# KiCad board XG_Mobile_Dock.kicad_pcb
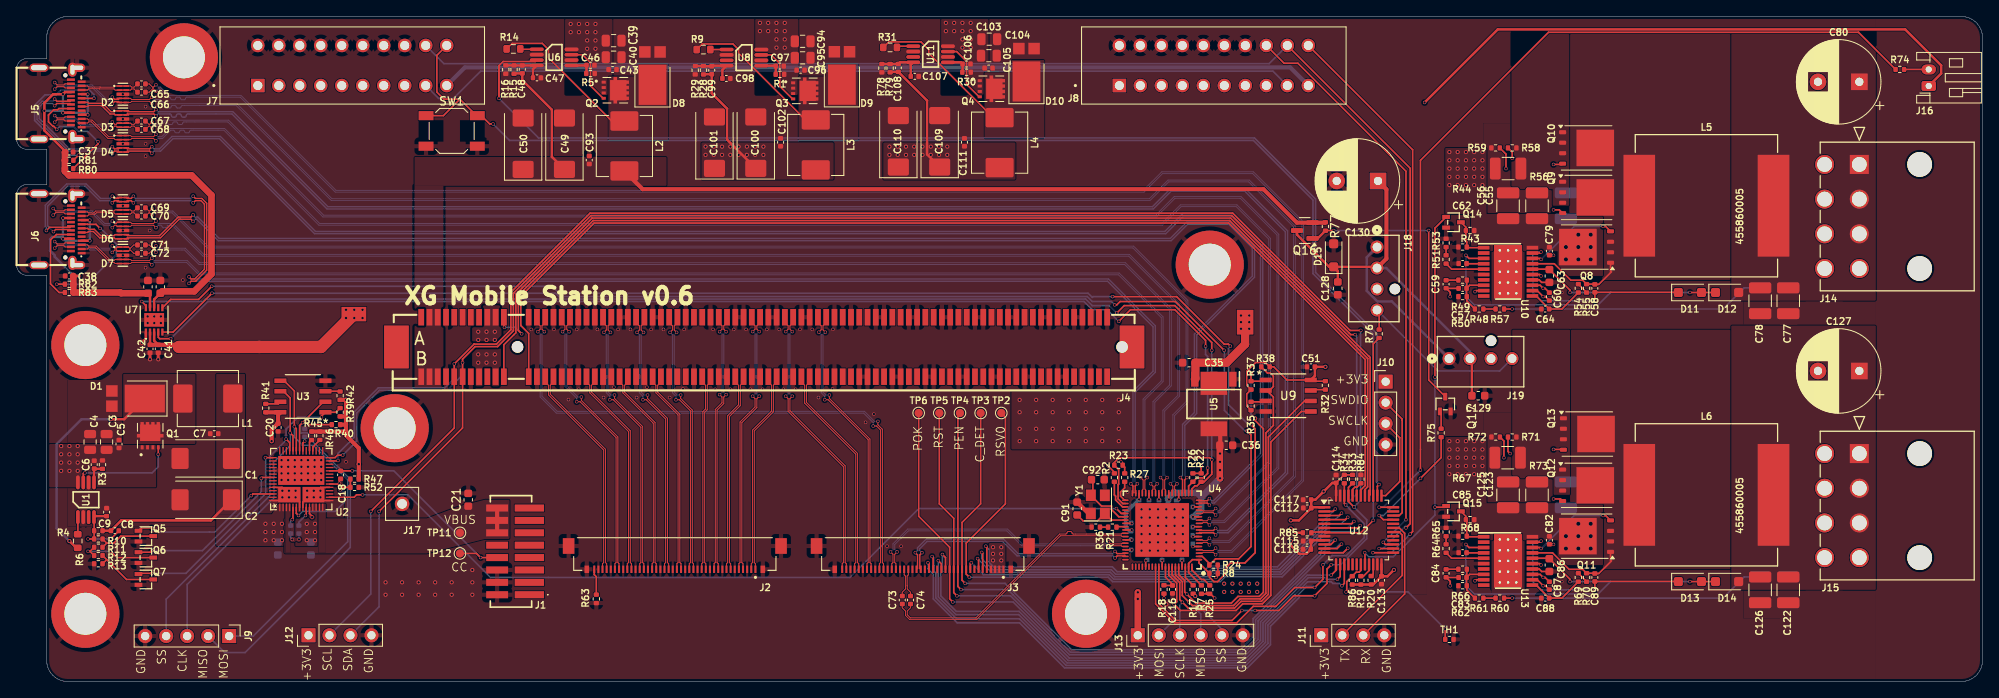
[diagram p0: board, top side]
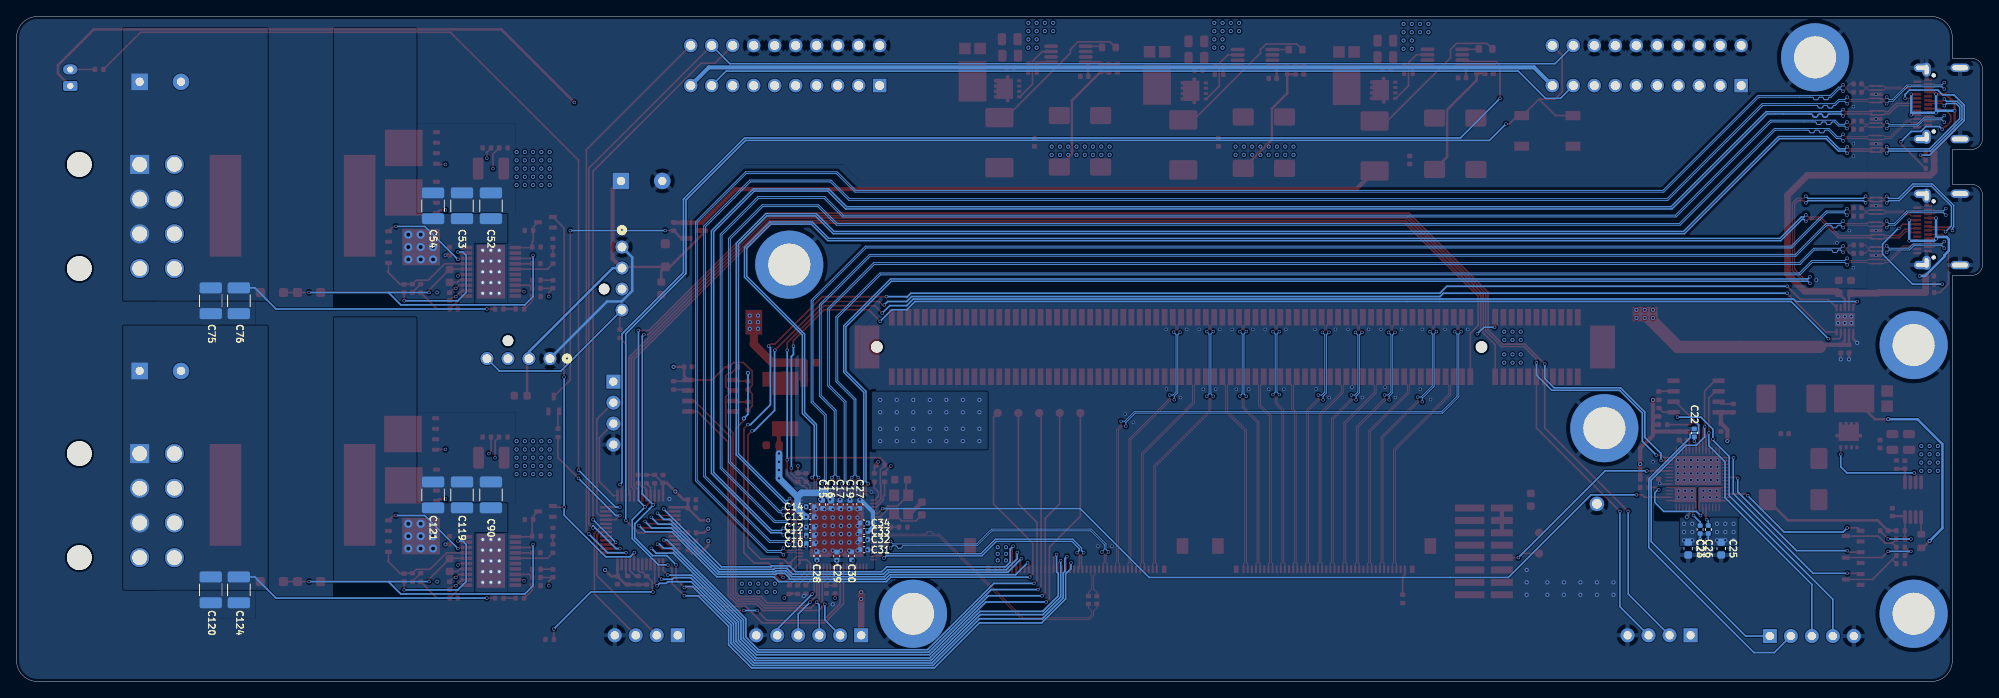
[diagram p1: board, bottom side, seen from below]

Outline 237.87 x 80.5 mm; copper layers: Top, In1.Cu (plane), In2.Cu (plane), In3.Cu, In4.Cu, Bottom. Coordinates in mm from the lower left corner of the outline.
Outline path: 0,74.15 arc(0.37,75.05) 1.27,75.42 3.65,75.42 3.65,77.96 arc(4.39,79.76) 6.19,80.5 235.33,80.5 arc(237.12,79.76) 237.87,77.96 237.87,2.54 arc(237.12,0.74) 235.33,0 6.19,0 arc(4.39,0.74) 3.65,2.54 3.65,49.17 1.27,49.17 arc(0.37,49.54) 0,50.44 0,58.9 arc(0.37,59.8) 1.27,60.17 3.65,60.17 3.65,64.42 1.27,64.42 arc(0.37,64.79) 0,65.69 0,74.15
Stack: Top 0.035mm / dielectric 0.0994mm FR4 er 4.1 / In1.Cu 0.0152mm / dielectric 0.55mm FR4 er 4.5 / In2.Cu 0.0152mm / dielectric 0.1088mm FR4 er 4.16 / In3.Cu 0.0152mm / dielectric 0.55mm FR4 er 4.5 / In4.Cu 0.0152mm / dielectric 0.0994mm FR4 er 4.1 / Bottom 0.035mm

## Placement (name value [footprint] x y rotation side)
C1  47µF  [CP_EIA-7343-43_Kemet-X]  22.9 27 180 top
C2  47µF  [CP_EIA-7343-43_Kemet-X]  22.9 22 180 top
C3  22µF  [C_0805_2012Metric]  10.9 29 90 top
C4  22µF  [C_0805_2012Metric]  8.9 29 90 top
C5  0.1µF  [C_0402_1005Metric]  12.4 28.75 90 top
C6  1000pF  [C_0402_1005Metric]  9.4 26.25 270 top
C7  0.1µF  [C_0402_1005Metric]  23.92 30 180 top
C8  100pF  [C_0402_1005Metric]  11.9 18.25 0 top
C9  1000pF  [C_0402_1005Metric]  10.9 20.5 90 top
C10  0.1µF  [C_0402_1005Metric]  141.83 16.68 180 bottom
C11  0.1µF  [C_0402_1005Metric]  141.83 17.68 180 bottom
C12  0.1µF  [C_0402_1005Metric]  141.83 18.68 180 bottom
C13  0.1µF  [C_0402_1005Metric]  141.83 19.94 180 bottom
C14  0.1µF  [C_0402_1005Metric]  141.85 21.14 180 bottom
C15  0.01µF  [C_0402_1005Metric]  140.33 21.43 270 bottom
C16  0.1µF  [C_0402_1005Metric]  139.33 21.43 270 bottom
C17  0.1µF  [C_0402_1005Metric]  138.22 21.43 270 bottom
C18  220pF  [C_0402_1005Metric]  39.21 25.02 270 top
C19  0.01µF  [C_0402_1005Metric]  137.02 21.43 270 bottom
C20  0.1µF  [C_0402_1005Metric]  31.65 30.75 270 top
C21  1µF  [C_0603_1608Metric]  54.65 22 90 top
C22  10µF  [C_0402_1005Metric]  34.87 30.09 90 bottom
C23  10µF  [C_0402_1005Metric]  34.17 18.39 270 bottom
C24  10µF  [C_0603_1608Metric]  35.62 16.09 270 bottom
C25  10µF  [C_0603_1608Metric]  31.62 16.09 270 bottom
C26  10µF  [C_0402_1005Metric]  33.17 18.39 270 bottom
C27  0.1µF  [C_0402_1005Metric]  135.83 21.43 270 bottom
C28  0.1µF  [C_0402_1005Metric]  141.02 15.2 90 bottom
C29  0.1µF  [C_0402_1005Metric]  138.62 15.18 90 bottom
C30  0.1µF  [C_0402_1005Metric]  136.83 15.2 90 bottom
C31  0.1µF  [C_0402_1005Metric]  135.33 15.94 0 bottom
C32  0.01µF  [C_0402_1005Metric]  135.33 17.18 0 bottom
C33  0.1µF  [C_0402_1005Metric]  135.33 18.18 0 bottom
C34  0.1µF  [C_0402_1005Metric]  135.33 19.18 0 bottom
C35  1µF  [C_0603_1608Metric]  141.87 38.59 180 top
C36  4.7μF  [C_0603_1608Metric]  146.37 28.59 0 top
C37  0.1μF  [C_0402_1005Metric]  6.37 64.09 0 top
C38  0.1μF  [C_0402_1005Metric]  6.37 49.09 180 top
C39  22µF  [C_0805_2012Metric]  72.25 77.58 0 top
C40  22µF  [C_0805_2012Metric]  72.25 75.58 0 top
C41  0.1μF  [C_0402_1005Metric]  17.15 40.27 270 top
C42  0.1μF  [C_0402_1005Metric]  16.15 40.27 270 top
C43  0.1µF  [C_0402_1005Metric]  72.12 74.08 0 top
C44  22μF  [C_0603_1608Metric]  17.4 47.77 90 top
C45  22μF  [C_0603_1608Metric]  15.9 47.77 90 top
C46  1000pF  [C_0402_1005Metric]  69.45 74.6 180 top
C47  1000pF  [C_0402_1005Metric]  62.97 73.08 0 top
C48  100pF  [C_0402_1005Metric]  61.2 74.1 90 top
C49  47µF  [CP_EIA-7343-43_Kemet-X]  66.3 65.1 90 top
C50  47µF  [CP_EIA-7343-43_Kemet-X]  61.3 65.1 90 top
C51  0.1µF  [C_0402_1005Metric]  156.62 38.09 180 top
C52  10µF  [C_1210_3225Metric_Pad1.33x2.70mm_HandSolder]  180.47 57.59 90 bottom
C53  10µF  [C_1210_3225Metric_Pad1.33x2.70mm_HandSolder]  183.97 57.59 90 bottom
C54  10µF  [C_1210_3225Metric_Pad1.33x2.70mm_HandSolder]  187.47 57.59 90 bottom
C55  10µF  [C_1210_3225Metric_Pad1.33x2.70mm_HandSolder]  183.97 57.59 90 top
C56  10µF  [C_1210_3225Metric_Pad1.33x2.70mm_HandSolder]  180.47 57.59 90 top
C57  100pF  [C_0402_1005Metric]  174.97 47.59 180 top
C58  0.1µF  [C_0402_1005Metric]  190.97 47.59 90 top
C59  0.01µF  [C_0402_1005Metric]  172.97 48.09 270 top
C60  1000pF  [C_0402_1005Metric]  185.47 46.59 270 top
C62  1µF  [C_0402_1005Metric]  174.97 50.59 0 top
C63  4.7µF  [C_0603_1608Metric]  185.47 49.09 270 top
C64  1000pF  [C_0402_1005Metric]  184.97 45.09 0 top
C65  0.1µF  [C_0402_1005Metric]  15.12 72.34 0 top
C66  0.1µF  [C_0402_1005Metric]  15.12 71.34 0 top
C67  0.1µF  [C_0402_1005Metric]  15.12 67.84 0 top
C68  0.1µF  [C_0402_1005Metric]  15.12 66.84 0 top
C69  0.1µF  [C_0402_1005Metric]  15.12 57.34 0 top
C70  0.1µF  [C_0402_1005Metric]  15.12 56.34 0 top
C71  0.1µF  [C_0402_1005Metric]  15.12 52.84 0 top
C72  0.1µF  [C_0402_1005Metric]  15.12 51.84 0 top
C73  0.1µF  [C_0402_1005Metric]  107.17 9.86 90 top
C74  0.1µF  [C_0402_1005Metric]  108.17 9.86 90 top
C75  47µF  [C_1210_3225Metric_Pad1.33x2.70mm_HandSolder]  214.37 46.09 270 bottom
C76  47µF  [C_1210_3225Metric_Pad1.33x2.70mm_HandSolder]  210.97 46.09 270 bottom
C77  47µF  [C_1210_3225Metric_Pad1.33x2.70mm_HandSolder]  214.37 46.09 270 top
C78  47µF  [C_1210_3225Metric_Pad1.33x2.70mm_HandSolder]  210.97 46.09 270 top
C79  0.1µF  [C_0402_1005Metric]  185.47 52.09 90 top
C80  470µF  [CP_Radial_D10.0mm_P5.00mm]  222.97 72.59 180 top
C82  0.1µF  [C_0402_1005Metric]  185.47 17.09 90 top
C83  100pF  [C_0402_1005Metric]  174.97 12.59 180 top
C84  0.01µF  [C_0402_1005Metric]  172.97 13.09 270 top
C85  1µF  [C_0402_1005Metric]  174.97 15.59 0 top
C86  4.7µF  [C_0603_1608Metric]  185.47 14.09 270 top
C87  1000pF  [C_0402_1005Metric]  185.47 11.59 270 top
C88  1000pF  [C_0402_1005Metric]  184.97 10.09 0 top
C89  0.1µF  [C_0402_1005Metric]  190.97 12.59 90 top
C90  10µF  [C_1210_3225Metric_Pad1.33x2.70mm_HandSolder]  180.47 22.59 90 bottom
C91  18pF  [C_0603_1608Metric]  128.33 20.93 90 top
C92  18pF  [C_0603_1608Metric]  130.83 24.43 0 top
C93  0.1µF  [C_0402_1005Metric]  69.3 63.12 90 top
C94  22µF  [C_0805_2012Metric]  95.12 77.5 0 top
C95  22µF  [C_0805_2012Metric]  95.12 75.5 0 top
C96  0.1µF  [C_0402_1005Metric]  94.87 74 0 top
C97  1000pF  [C_0402_1005Metric]  92.35 74.5 180 top
C98  1000pF  [C_0402_1005Metric]  85.89 73 0 top
C99  100pF  [C_0402_1005Metric]  84.12 74 90 top
C100  47µF  [CP_EIA-7343-43_Kemet-X]  89.45 65.23 90 top
C101  47µF  [CP_EIA-7343-43_Kemet-X]  84.45 65.23 90 top
C102  0.1µF  [C_0402_1005Metric]  92.45 65.27 90 top
C103  22µF  [C_0805_2012Metric]  117.7 77.76 0 top
C104  22µF  [C_0805_2012Metric]  117.65 75.76 0 top
C105  0.1µF  [C_0402_1005Metric]  117.62 74.26 0 top
C106  1000pF  [C_0402_1005Metric]  114.95 74.76 180 top
C107  1000pF  [C_0402_1005Metric]  108.68 73.26 0 top
C108  100pF  [C_0402_1005Metric]  106.7 74.28 90 top
C109  47µF  [CP_EIA-7343-43_Kemet-X]  111.7 65.39 90 top
C110  47µF  [CP_EIA-7343-43_Kemet-X]  106.7 65.39 90 top
C111  0.1µF  [C_0402_1005Metric]  114.7 65.27 90 top
C112  0.1µF  [C_0402_1005Metric]  156.17 21 180 top
C113  0.1µF  [C_0402_1005Metric]  165.15 12.25 270 top
C114  0.1µF  [C_0402_1005Metric]  159.65 24.52 90 top
C115  10nF  [C_0402_1005Metric]  156.15 17 180 top
C116  1µF  [C_0402_1005Metric]  139.87 11.14 270 top
C117  4.7µF  [C_0402_1005Metric]  156.15 22 180 top
C118  1µF  [C_0402_1005Metric]  156.13 16 180 top
C119  10µF  [C_1210_3225Metric_Pad1.33x2.70mm_HandSolder]  183.97 22.59 90 bottom
C120  47µF  [C_1210_3225Metric_Pad1.33x2.70mm_HandSolder]  214.37 11.09 270 bottom
C121  10µF  [C_1210_3225Metric_Pad1.33x2.70mm_HandSolder]  187.47 22.59 90 bottom
C122  47µF  [C_1210_3225Metric_Pad1.33x2.70mm_HandSolder]  214.37 11.09 270 top
C123  10µF  [C_1210_3225Metric_Pad1.33x2.70mm_HandSolder]  183.97 22.59 90 top
C124  47µF  [C_1210_3225Metric_Pad1.33x2.70mm_HandSolder]  210.97 11.09 270 bottom
C125  10µF  [C_1210_3225Metric_Pad1.33x2.70mm_HandSolder]  180.47 22.59 90 top
C126  47µF  [C_1210_3225Metric_Pad1.33x2.70mm_HandSolder]  210.97 11.09 270 top
C127  470µF  [CP_Radial_D10.0mm_P5.00mm]  222.97 37.59 180 top
C128  0.1µF  [C_0603_1608Metric]  159.87 47.59 270 top
C129  0.1µF  [C_0603_1608Metric]  176.87 34.59 0 top
C130  470µF  [CP_Radial_D10.0mm_P5.00mm]  164.73 60.59 180 top
D1  PDS1040L-13  [D_PowerDI-5]  14.4 34.25 180 top
D2  H5VU25U  [AZ1045-04F]  12.87 71.09 270 top
D3  H5VU25U  [AZ1045-04F]  12.87 68.09 270 top
D4  H5VU25U  [AZ1045-04F]  12.87 65.09 270 top
D5  H5VU25U  [AZ1045-04F]  12.87 57.59 270 top
D6  H5VU25U  [AZ1045-04F]  12.87 54.59 270 top
D7  H5VU25U  [AZ1045-04F]  12.87 51.59 270 top
D8  PDS1040L-13  [D_PowerDI-5]  76.95 73.35 90 top
D9  PDS1040L-13  [D_PowerDI-5]  99.87 73.37 90 top
D10  PDS1040L-13  [D_PowerDI-5]  122.2 73.76 90 top
D11  ~  [D_SOD-123F]  202.47 47.09 0 top
D12  ~  [D_SOD-123F]  206.97 47.09 0 top
D13  ~  [D_SOD-123F]  202.47 12.09 0 top
D14  ~  [D_SOD-123F]  206.97 12.09 0 top
D15  1N4007  [D_SOD-123F]  159.37 51.59 90 top
H1  ~  [Hole_200mil]  20.25 75.56 0 top
H2  ~  [Hole_200mil]  8.33 40.73 0 top
H3  ~  [Hole_200mil]  8.33 8.19 0 top
H4  ~  [Hole_200mil]  45.75 30.67 0 top
H5  ~  [Hole_200mil]  144.37 50.46 0 top
H6  ~  [Hole_200mil]  129.4 8.19 0 top
J1  -  [5-1775443-8]  59.83 15.75 180 top
J2  -  [20455-040E-76]  79.65 15.5 180 top
J3  -  [20455-040E-76]  109.65 15.5 180 top
J4  3-2362375-4  [CONN-SMD_164P-P1.00-V_3133]  90.47 40.5 0 top
J5  USB_C_Receptacle  [USB-C-SMD_TYPE-C-24P-QT]  5.3 69.98 270 top
J6  USB_C_Receptacle  [USB-C-SMD_TYPE-C-24P-QT]  5.3 54.73 270 top
J7  Conn_02x10_Odd_Even  [5-5530843-0]  40.62 74.57 0 top
J8  Conn_02x10_Odd_Even  [5-5530843-0]  144.87 74.57 0 top  (not fitted)
J9  Conn_01x05  [PinHeader_1x05_P2.54mm_Vertical]  25.73 5.5 270 top
J10  SWD  [PinHeader_1x04_P2.54mm_Vertical]  165.65 36.3 0 top
J11  UART  [PinHeader_1x04_P2.54mm_Vertical]  157.87 5.59 90 top
J12  I2C1  [PinHeader_1x04_P2.54mm_Vertical]  35.33 5.59 90 top
J13  Conn_01x06  [PinHeader_1x06_P2.54mm_Vertical]  135.67 5.59 90 top
J14  Conn_02x04_Top_Bottom  [CON_455860005_MOL]  222.97 62.59 90 top
J15  Conn_02x04_Top_Bottom  [CON_455860005_MOL]  222.97 27.59 90 top
J16  ~  [JST_PH_S2B-PH-K_1x02_P2.00mm_Horizontal]  231.37 72.09 90 top
J17  8730  [KEYSTONE_8730]  46.65 21.5 0 top
J18  ~  [CONN_SD-47053-001_H10p00_MOL]  164.61 52.59 90 top
J19  ~  [CONN_SD-47053-001_H10p00_MOL]  173.33 39.09 180 top
L1  10µH  [L_Abracon_ASPI-0630LR]  23.15 34.25 0 top
L2  10µH  [L_Abracon_ASPI-0630LR]  73.55 64.83 270 top
L3  10µH  [L_Abracon_ASPI-0630LR]  96.7 64.96 270 top
L4  10µH  [L_Abracon_ASPI-0630LR]  118.95 65.23 270 top
L5  10µH  [L_Vishay_IHLP-6767]  204.47 57.59 0 top
L6  10µH  [L_Vishay_IHLP-6767]  204.47 22.59 0 top
Q1  AON7403  [TRANS_AON7403]  16.18 29.75 90 top
Q2  AON7403  [TRANS_AON7403]  72.45 71.58 0 top
Q3  AON7403  [TRANS_AON7403]  95.37 71.5 0 top
Q4  AON7403  [TRANS_AON7403]  117.95 71.76 0 top
Q5  2N7002W  [SOT-323-3_L2.0-W1.3-P1.30-LS2.1-BR]  15.65 17.6 180 top
Q6  2N7002W  [SOT-323-3_L2.0-W1.3-P1.30-LS2.1-BR]  15.65 15 180 top
Q7  2N7002W  [SOT-323-3_L2.0-W1.3-P1.30-LS2.1-BR]  15.65 12.35 180 top
Q8  CSD18563Q5A  [TDSON-8-1]  189.97 52.59 180 top
Q9  CSD18532Q5B  [TDSON-8-1]  189.97 58.59 0 top
Q10  CSD18532Q5B  [TDSON-8-1]  189.97 64.59 0 top
Q11  CSD18563Q5A  [TDSON-8-1]  189.97 17.59 180 top
Q12  CSD18532Q5B  [TDSON-8-1]  189.97 23.74 0 top
Q13  CSD18532Q5B  [TDSON-8-1]  190.06 29.96 0 top
Q14  2N7002W  [SOT-323-3_L2.0-W1.3-P1.30-LS2.1-BR]  173.87 55.59 180 top
Q15  2N7002W  [SOT-323-3_L2.0-W1.3-P1.30-LS2.1-BR]  173.87 20.59 180 top
Q16  AO3401A  [SOT-23]  155.87 54.59 180 top
Q17  2N7002W  [SOT-323-3_L2.0-W1.3-P1.30-LS2.1-BR]  172.87 33.59 270 top
R1  47k  [R_0402_1005Metric]  92.37 73.5 180 top
R2  10k  [R_0402_1005Metric]  132.83 24.68 90 top
R3  47k  [R_0402_1005Metric]  10.4 26.25 270 top
R4  49.9k  [R_0402_1005Metric]  9.9 18.25 180 top
R5  68k  [R_0402_1005Metric]  69.45 73.6 180 top
R6  270  [R_0603_1608Metric]  7.4 17 270 top
R7  10k  [R_0402_1005Metric]  143.37 11.12 90 top
R8  10k  [R_0402_1005Metric]  144.84 13.09 0 top
R9  270  [R_0603_1608Metric]  83.12 76.5 180 top
R10  3.3k  [R_0402_1005Metric]  9.9 17.25 0 top
R11  1.2k  [R_0402_1005Metric]  9.9 16.25 180 top
R12  3.3k  [R_0402_1005Metric]  9.9 15.25 0 top
R13  8.2k  [R_0402_1005Metric]  9.9 14.25 180 top
R14  270  [R_0603_1608Metric]  60.12 76.58 180 top
R15  33k  [R_0402_1005Metric]  60.2 74.08 90 top
R16  3.9k  [R_0402_1005Metric]  59.2 74.08 90 top
R17  4.7k  [R_0402_1005Metric]  142.37 11.13 90 top
R18  4.7k  [R_0402_1005Metric]  138.83 11.14 270 top
R19  4.7k  [R_0402_1005Metric]  162.65 12.24 90 top
R20  4.7k  [R_0402_1005Metric]  163.9 12.25 90 top
R21  10k  [R_0402_1005Metric]  132.58 18.68 180 top
R22  10k  [R_0402_1005Metric]  143.33 24.68 270 top
R23  10k  [R_0402_1005Metric]  133.33 26.18 180 top
R24  100k  [R_0402_1005Metric]  144.83 14.09 0 top
R25  100k  [R_0402_1005Metric]  144.37 11.12 270 top
R26  100k  [R_0402_1005Metric]  142.33 24.68 270 top
R27  100k  [R_0402_1005Metric]  134.08 24.68 270 top
R28  12k  [R_0402_1005Metric]  83.12 74 90 top
R29  3.9k  [R_0402_1005Metric]  82.12 74 90 top
R30  47k  [R_0402_1005Metric]  114.95 73.76 180 top
R31  270  [R_0603_1608Metric]  105.7 76.76 180 top
R32  4.7k  [R_0402_1005Metric]  158.37 35.84 270 top
R33  10k  [R_0402_1005Metric]  161.65 24.5 270 top
R34  10k  [R_0402_1005Metric]  160.65 24.5 270 top
R35  4.7k  [R_0402_1005Metric]  149.37 33.34 90 top
R36  2.4k  [R_0402_1005Metric]  130.58 18.68 180 top
R37  4.7k  [R_0402_1005Metric]  149.37 35.84 90 top
R38  4.7k  [R_0402_1005Metric]  151.12 38.09 180 top
R39  4.7k  [R_0402_1005Metric]  39.15 32.59 90 top
R40  4.7k  [R_0402_1005Metric]  38.65 31.09 180 top
R41  4.7k  [R_0402_1005Metric]  30.15 33.09 90 top
R42  4.7k  [R_0402_1005Metric]  39.15 34.59 90 top
R43  100k  [R_0402_1005Metric]  175.87 54.59 180 top
R44  7.5k  [R_0402_1005Metric]  174.97 52.59 0 top
R45  4.7k  [R_0402_1005Metric]  35.7 29.75 90 top
R46  4.7k  [R_0402_1005Metric]  36.7 29.75 90 top
R47  10k  [R_0402_1005Metric]  40.9 24.5 180 top
R48  10k  [R_0402_1005Metric]  176.97 45.09 0 top
R49  3.3k  [R_0402_1005Metric]  174.97 48.59 0 top
R50  680  [R_0402_1005Metric]  174.97 46.59 180 top
R51  24k  [R_0402_1005Metric]  172.97 51.09 90 top
R52  100k  [R_0402_1005Metric]  40.9 23.5 0 top
R53  1k  [R_0402_1005Metric]  172.97 53.09 90 top
R54  100k  [R_0402_1005Metric]  188.97 47.59 90 top
R55  33k  [R_0402_1005Metric]  189.97 47.59 90 top
R56  0.005  [R_1210_3225Metric_Pad1.30x2.65mm_HandSolder]  180.47 62.09 180 top
R57  49.9  [R_0402_1005Metric]  179.47 45.09 0 top
R58  100  [R_0402_1005Metric]  180.97 64.59 180 top
R59  100  [R_0402_1005Metric]  178.96 64.59 0 top
R60  49.9  [R_0402_1005Metric]  179.47 10.09 0 top
R61  10k  [R_0402_1005Metric]  176.97 10.09 0 top
R62  680  [R_0402_1005Metric]  174.97 11.59 180 top
R63  10k  [R_0402_1005Metric]  70.15 10 270 top
R64  24k  [R_0402_1005Metric]  172.97 16.09 90 top
R65  1k  [R_0402_1005Metric]  172.97 18.09 90 top
R66  3.3k  [R_0402_1005Metric]  174.97 13.59 0 top
R67  7.5k  [R_0402_1005Metric]  174.97 17.59 0 top
R68  100k  [R_0402_1005Metric]  175.87 19.59 180 top
R69  100k  [R_0402_1005Metric]  188.97 12.59 90 top
R70  33k  [R_0402_1005Metric]  189.97 12.59 90 top
R71  100  [R_0402_1005Metric]  180.97 29.59 180 top
R72  100  [R_0402_1005Metric]  178.97 29.59 0 top
R73  0.005  [R_1210_3225Metric_Pad1.30x2.65mm_HandSolder]  180.42 27.09 180 top
R74  47k  [R_0402_1005Metric]  227.87 74.09 0 top
R75  100  [R_0402_1005Metric]  172.37 30.09 90 top
R76  330  [R_0402_1005Metric]  164.87 42.09 90 top
R77  10k  [R_0402_1005Metric]  158.37 55.08 270 top
R78  20k  [R_0402_1005Metric]  105.7 74.25 90 top
R79  12k  [R_0402_1005Metric]  104.7 74.25 270 top
R80  22k  [R_0402_1005Metric]  6.37 63.09 180 top
R81  22k  [R_0402_1005Metric]  6.36 62.09 0 top
R82  22k  [R_0402_1005Metric]  6.37 48.09 0 top
R83  22k  [R_0402_1005Metric]  6.37 47.09 180 top
R84  1k  [R_0402_1005Metric]  162.65 24.5 270 top
R85  10k  [R_0402_1005Metric]  156.15 18 180 top
R86  100k  [R_0402_1005Metric]  161.62 12.24 270 top
SW1  SW_Push  [SW_SPST_SKQG_WithStem]  52.65 66.65 0 top
TH1  NCP15WF104F03RC  [R_0402_1005Metric]  173.37 5.09 0 top
TP2  TestPoint_Small  [TestPoint_Pad_D1.0mm]  119.15 32.5 180 top
TP3  TestPoint_Small  [TestPoint_Pad_D1.0mm]  116.65 32.5 180 top
TP4  TestPoint_Small  [TestPoint_Pad_D1.0mm]  114.15 32.5 180 top
TP5  TestPoint_Small  [TestPoint_Pad_D1.0mm]  111.65 32.5 180 top
TP6  TestPoint_Small  [TestPoint_Pad_D1.0mm]  109.15 32.5 180 top
TP11  TestPoint_Small  [TestPoint_Pad_D1.0mm]  53.65 18 90 top
TP12  TestPoint_Small  [TestPoint_Pad_D1.0mm]  53.65 15.5 90 top
U1  LM3489MMX/NOPB  [LM3489QMM-NOPB]  8.4 22 90 top
U2  -  [TPS65987DDHRSHR]  34.45 24.5 90 top
U3  -  [MX25L8006EM1I-12G]  34.65 34.5 180 top
U4  -  [VL822-QFN76]  138.62 18.34 180 top
U5  AP7361-10ER-13  [SOT230P700X180-4N]  144.87 33.59 270 top
U6  LM3489MMX/NOPB  [LM3489QMM-NOPB]  65.05 75.55 0 top
U7  TPS2003CDRCR  [DRC10_1P65X2P40_TEX]  16.65 43.77 90 top
U8  LM3489MMX/NOPB  [LM3489QMM-NOPB]  88.02 75.52 0 top
U9  -  [MX25L8006EM1I-12G]  153.87 34.59 0 top
U10  LM5117PMHX/NOPB  [PWP0020A_N]  180.47 49.59 0 top
U11  LM3489MMX/NOPB  [LM3489QMM-NOPB]  110.6 75.93 0 top
U12  STM32F030C8Tx  [LQFP-48_7x7mm_P0.5mm]  162.4 18.34 0 top
U13  LM5117PMHX/NOPB  [PWP0020A_N]  180.47 14.59 0 top
Y1  25MHz  [Crystal_SMD_3225-4Pin_3.2x2.5mm]  130.83 21.43 90 top

## Library data of the parts
C1 C2 C49 C50 C100 C101 C109 C110 = -: Description: Polarized capacitor, US symbol; Part_Number: T491X476K035AT; LCSC: C87110; ki_fp_filters: CP_*
C3 C4 C39 C40 C94 C95 C103 C104 = -: Description: X5R; Part_Number: CL21A226MAQNNNE; LCSC: C45783; ki_fp_filters: C_*
C5 C20 C43 C51 C96 C105 = -: Description: X7R; Part_Number: CL05B104KB54PNC; LCSC: C307331; ki_fp_filters: C_*
C6 C9 C46 C47 C97 C98 C106 C107 = -: Description: X7R; Part_Number: 0402B102K500NT; LCSC: C1523; ki_fp_filters: C_*
C7 C93 C102 C111 = -: Description: X5R; Part_Number: CL05B104KB54PNC; LCSC: C307331; ki_fp_filters: C_*
C8 C48 C99 C108 = -: Description: X7R; Part_Number: 0402CG101J500NT; LCSC: C1546; ki_fp_filters: C_*
C10-C14 C16 C17 C27-C31 C33 C34 C112-C114 = -: Description: Unpolarized capacitor; LCSC: C307331; Part_Number: CL05B104KB54PNC; ki_fp_filters: C_*
C15 C115 = -: Description: X7R; Part_Number: CL05B103KB5NNNC; LCSC: C15195; ki_fp_filters: C_*
C18 = -: Description: X7R; Part_Number: 0402B221K500NT; LCSC: C1530; ki_fp_filters: C_*
C19 C32 = -: Description: X7R; LCSC: C15195; Part_Number: CL05B103KB5NNNC; ki_fp_filters: C_*
C21 C35 = -: Description: X7R; Part_Number: CL10A105KB8NNNC; LCSC: C15849; ki_fp_filters: C_*
C22 C23 C26 = -: Description: X5R; Part_Number: CL05A106MQ5NUNC; LCSC: C15525; ki_fp_filters: C_*
C24 C25 = -: Description: X5R; Part_Number: CL10A106MA8NRNC; LCSC: C96446; ki_fp_filters: C_*
C36 = -: Description: X5R; Part_Number: CL10A475KO8NNNC; LCSC: C19666; ki_fp_filters: C_*
C37 C38 C41 C42 = -: Description: Unpolarized capacitor; Part_Number: CL05B104KO5NNNC; LCSC: C1525; ki_fp_filters: C_*
C44 C45 = -: Description: Unpolarized capacitor; Part_Number: CL10A226MQ8NRNC; LCSC: C59461; ki_fp_filters: C_*
C52-C56 C90 C119 C121 C123 C125 = -: Description: Unpolarized capacitor; Part_Number: GRM32ER71H106KA12L; LCSC: C77102; ki_fp_filters: C_*
C57 C83 = -: Description: Unpolarized capacitor, small symbol; Part_Number: 0402CG101J500NT; LCSC: C1546; ki_fp_filters: C_*
C58 C79 C82 C89 = -: Description: Unpolarized capacitor, small symbol; Part_Number: CL05B104KB54PNC; LCSC: C307331; ki_fp_filters: C_*
C59 C84 = -: Description: Unpolarized capacitor, small symbol; Part_Number: CL05B103KB5NNNC; LCSC: C15195; ki_fp_filters: C_*
C60 C64 C87 C88 = -: Description: Unpolarized capacitor, small symbol; Part_Number: 0402B102K500NT; LCSC: C1523; ki_fp_filters: C_*
C62 C85 = -: Description: Unpolarized capacitor, small symbol; Part_Number: CL05A105KA5NQNC; LCSC: C52923; ki_fp_filters: C_*
C63 C86 = -: Description: Unpolarized capacitor, small symbol; Part_Number: CL10A475KO8NNNC; LCSC: C19666; ki_fp_filters: C_*
C65-C74 = -: Description: AC coupling; LCSC: C307331; Part_Number: CL05B104KB54PNC; ki_fp_filters: C_*
C75-C78 C120 C122 C124 C126 = -: Description: Unpolarized capacitor; Part_Number: C3216X5R1E476MTJ00E; LCSC: C76659; ki_fp_filters: C_*
C80 C127 C130 = -: Description: Polarized capacitor, US symbol; Part_Number: EGT477M1HG16RRS0P; LCSC: C3015599; ki_fp_filters: CP_*
C91 C92 = -: Description: Unpolarized capacitor, small symbol; LCSC: C1647; Part_Number: CL10C180JB8NNNC; ki_fp_filters: C_*
C116 = -: Description: X5R; Part_Number: CL05A105KA5NQNC; LCSC: C52923; ki_fp_filters: C_*
C117 = -: Description: Unpolarized capacitor; Part_Number: CL05A475MP5NRNC; LCSC: C23733; ki_fp_filters: C_*
C118 = -: Description: Unpolarized capacitor; Part_Number: CL05A105KA5NQNC; LCSC: C52923; ki_fp_filters: C_*
C128 C129 = -: Description: Unpolarized capacitor; Part_Number: CC0603KRX7R9BB104; LCSC: C14663; ki_fp_filters: C_*
D1 D8-D10 = -: Datasheet: https://assets.nexperia.com/documents/data-sheet/PMEG4050EP.pdf; Description: 40V, 10A Schottky barrier rectifier; LCSC: C154714; ki_fp_filters: D*SOD?128*
D2-D7 = -: Description: C2987152; uuid: std:6eb39e210fd9458b8b050fbd0465928b; LCSC: C7420374
D11-D14 = -: Description: Schottky diode; Part_Number: DSL14; LCSC: C22466349; ki_fp_filters: TO-???* *_Diode_* *SingleDiode* D_*
D15 = -: Datasheet: http://www.vishay.com/docs/88503/1n4001.pdf; Description: 1000V 1A General Purpose Rectifier Diode, DO-41; Sim.Device: D; Sim.Pins: 1=K 2=A; Part_Number: 1N4007W; LCSC: C18199088; ki_fp_filters: D*DO?41*
H1-H6 = -: Description: Mounting Hole with connection; ki_fp_filters: MountingHole*Pad*
J1 = -: Datasheet: https://www.arrow.com/en/products/5-1775443-8/te-connectivity; Description: EMIX CONN., 1.5MM PITCH, HDR, V/T, 8P; Height: 5.15; Arrow Price/Stock: https://www.arrow.com/en/products/5-1775443-8/te-connectivity; Manufacturer_Name: TE Connectivity; LCSC: C17475182
J2 J3 = -: MF: I-PEX; Description_1: 40 POS Right Angle SMD 0.5 mm pitch, Horizontal mating type Micro-coaxial and FPC connector with mechanical lock (VESA standard connector) CABLINE-VS Receptacle; Package: None; Price: None; Check_prices: https://www.snapeda.com/parts/20455-040E-76/I-PEX/view-part/?ref=eda; STANDARD: Manufacturer Recommendations; SnapEDA_Link: https://www.snapeda.com/parts/20455-040E-76/I-PEX/view-part/?ref=snap; Availability: In Stock; MANUFACTURER: I-PEX; LCSC: C5160883